# KiCad board Sound Board.kicad_pcb (continued)
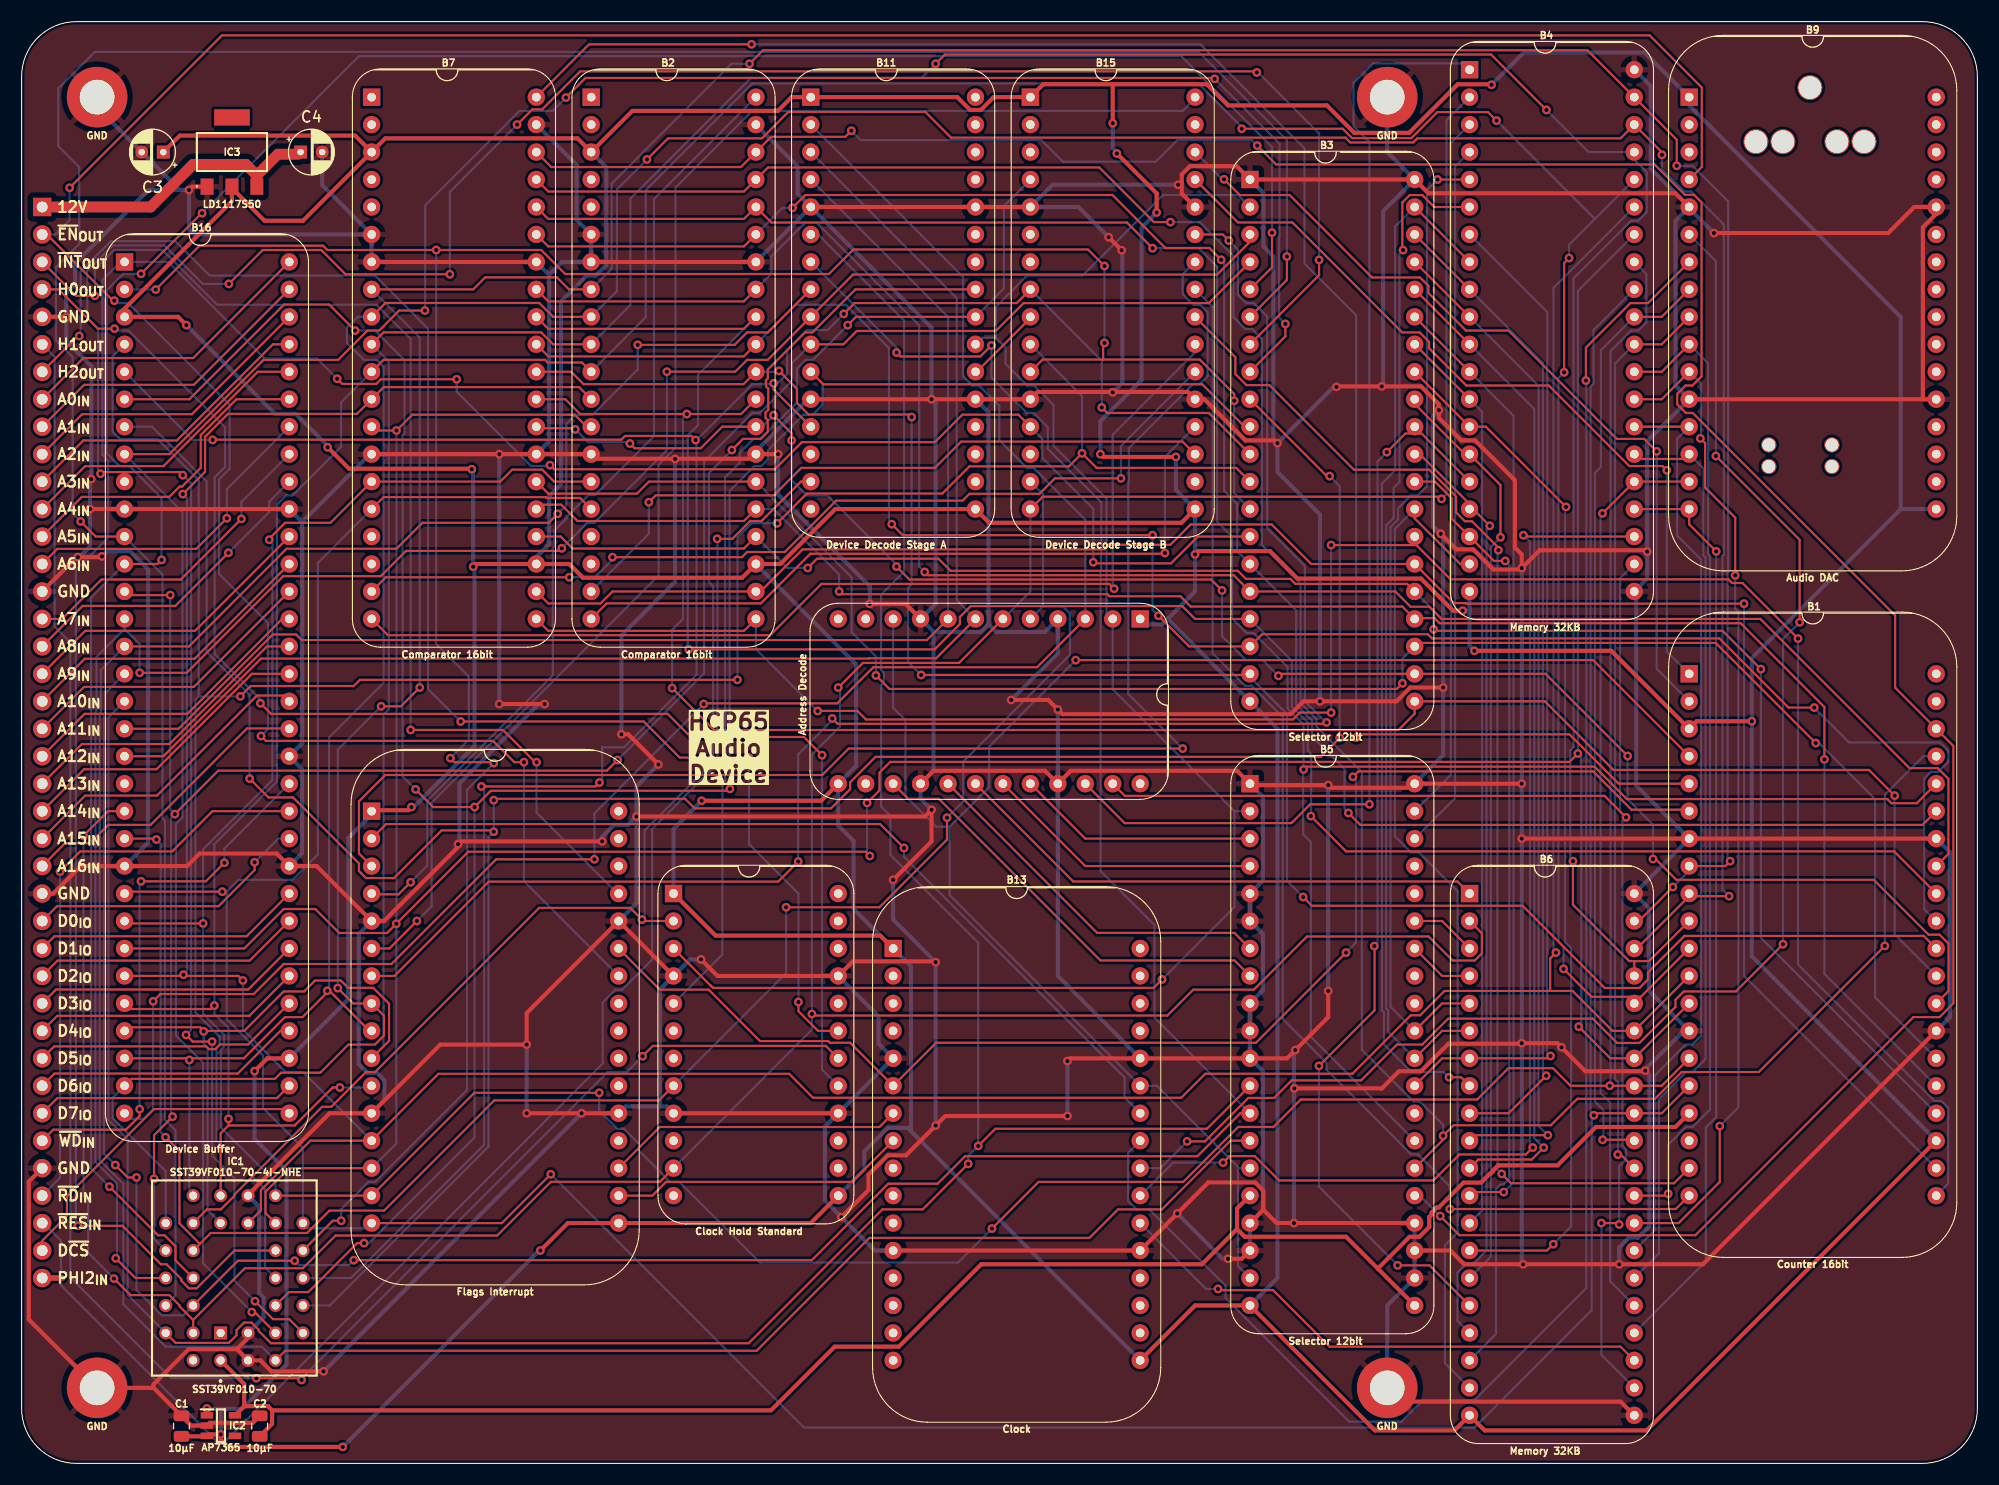
[diagram p0: board, top side]
## Routing (per net, layer and track width the routed paths; a pad name or vN(x,y) marks a point on that pad's centre or on a via; arc(x,y) is an arc through that point) (continued)
/D5_{IN/OUT}: length 25.2
  Top w0.2: J1.32 3.01,38.57 17.08,38.57 17.33,38.31 17.92,38.31 18.35,38.75 20.97,38.75 B16.37
/D6: length 326.6
  Top w0.2: v1(157.99,52.46) 154.31,52.46 149.47,47.63 ; B2.9 49.18,106.05 47.9,107.33 33.67,107.33 B7.9 ; 15.52,37.47 20.56,37.47 24.37,41.28 25.98,41.28 28.29,43.58 v1(28.29,43.71) 28.48,43.71 32.19,40.01 ; 15.52,37.47 B16.30 ; 15.52,37.47 v1(15.52,37.31) ; v1(151.79,121.03) 151.79,121.26 B4.38 147.95,122.55 129.15,122.55 128.77,122.17 122.95,122.17 122.5,122.62 86,122.62 83.62,125 70.95,125 68.5,122.56 59.81,122.56 v1(57.86,120.6)
  Bottom w0.2: v1(57.86,120.6) 55.08,117.82 55.08,108.42 B2.9 ; v1(28.29,43.71) 28.45,43.87 28.45,67.14 33.5,72.2 33.5,101.42 32.85,102.07 31.67,102.07 30.1,103.64 30.1,105.05 31.11,106.06 32.37,106.06 ; v1(157.99,52.46) 157.38,53.08 157.38,83.93 157.51,84.06 157.51,114.59 154.46,117.64 153.85,117.64 151.79,119.7 v1(151.79,121.03) ; v1(15.52,37.31) 15.52,25.12
/D6_{IN/OUT}: length 25
  Top w0.2: J1.33 3.03,36.05 20,36.05 23.95,40.01 B16.36
/D7: length 338.1
  Top w0.2: v1(33.27,70.02) 35.1,70.02 v1(36.84,71.76) ; v1(153.15,120.02) 153.15,122.44 B4.39 144.89,130.7 68.6,130.7 v1(67.35,129.45) ; v1(152.79,53.31) 149.65,50.17 ; v1(29.25,43.96) 30.67,42.55 B8.8 33.53,41.4 33.53,39.57 32.69,38.74 30.24,38.74 27.64,36.13 24.01,36.13 23.43,35.56 10.16,35.56 B16.31 ; B1.8 157.64,55.25 v1(158.09,55.7) ; B7.8 41.78,108.59 42.89,109.7 49.53,109.7 50.64,108.59 B2.8
  Bottom w0.2: v1(29.25,43.96) 29.25,66.01 v1(33.27,70.02) ; B16.31 8.43,33.83 8.43,31.93 13.33,27.02 IC1.21 ; v1(153.15,120.02) 154.62,120.02 157.92,116.71 157.92,82.48 157.86,82.42 157.86,55.93 v1(158.09,55.7) ; v1(67.35,129.45) 65.69,129.45 54.6,118.37 54.6,110.48 B2.8 ; 154.31,54.82 v1(152.79,53.31) ; v1(36.84,71.76) 36.84,104.13 B7.8
/D7_{IN/OUT}: length 23.9
  Top w0.2: B16.34 23.62,33.78 3.3,33.78 J1.34
/Device ~{CS}: length 173.6
  Top w0.2: v1(63.12,70.23) 63.18,70.29 75.47,70.29 78.81,73.63 93.95,73.63 B12.3 ; v1(12.17,42.74) 12.84,43.41 21.47,43.41 24.25,46.19 34.22,46.19 43.91,55.87 v1(53,55.87)
  Bottom w0.2: B12.3 98.42,87.28 93.63,92.08 93.03,92.08 90.47,94.63 90.47,97.82 88.6,99.7 87.97,99.7 87.11,100.56 87.11,109.74 B11.2 ; v1(63.12,70.23) 53,60.11 v1(53,55.87) ; B16.32 10.03,31.88 11.3,31.88 12.17,32.74 v1(12.17,42.74)
/Device ~{CS} _{IN}: length 29.5
  Top w0.2: J1.39 1.9,20.6 4.19,22.88 4.19,24.71 12.26,32.77 24.38,32.77
/Enable: length 127.1
  Top w0.2: 154.17,60.46 148.96,60.46 145.42,64 123.69,64 v1(123.19,63.5) ; v1(122.56,47.24) 114.21,38.9 84.62,38.9 B13.6 76.67,38.9 74.8,38.9 74.64,39.06 68.32,39.06 63.57,43.82 59.05,43.82 B8.27
  Bottom w0.2: v1(123.19,63.5) 123.48,63.21 123.48,48.16 v1(122.56,47.24)
/H0_{OUT}: length 134.4
  Top w0.2: v1(22.1,70.31) 23.08,69.32 59.78,69.32 61.92,67.18 72.39,67.18 v1(74.07,65.5) ; 2.52,108.59 3.43,108.59 7.06,104.95 v1(8.6,104.95)
  Bottom w0.2: B10.17 74.07,36.42 v1(74.07,65.5) ; v1(8.6,104.95) 8.77,104.78 9.88,104.78 18.82,95.84 18.82,92.15 17.86,91.2 17.86,74.88 22.1,70.65 v1(22.1,70.31)
/H1_{OUT}: length 175.7
  Top w0.2: v1(21.72,7.87) 25.75,7.87 v1(25.91,7.72) ; B10.18 74.41,38.62 58.42,38.62 v1(57.46,37.66)
  Bottom w0.2: v1(57.46,37.66) 56,36.2 54.23,36.2 25.91,7.87 v1(25.91,7.72) ; J1.6 3.05,102.36 3.05,77.39 4.51,75.94 4.51,17.21 13.84,7.87 v1(21.72,7.87)
/H2_{OUT}: length 142.9
  Top w0.2: J1.7 5.21,104.27 v1(5.33,104.27) ; v1(67.31,65.28) 60.9,65.28 57.56,68.62 v1(40.63,68.62) ; B10.19 73.69,40.01 71.88,41.82 v1(71.88,42.67)
  Bottom w0.2: v1(40.63,68.62) 40.6,68.62 37.61,71.61 37.61,104.94 32.7,109.86 17.4,109.86 14.21,113.05 8.26,113.05 5.46,110.25 5.46,104.39 v1(5.33,104.27) ; v1(67.31,65.28) 67.31,57.28 71.88,52.71 v1(71.88,42.67)
/M0: length 94
  Top w0.2: B3.28 128.91,87.4 133.12,83.19 B4.19
  Bottom w0.2: B6.19 131.7,9.27 131.7,20.18 132.88,21.36 132.88,52.92 129.28,56.52 128.56,56.52 127.07,58.01 127.07,86.43 B3.28
/M1: length 88.3
  Top w0.2: B3.29 130.78,90.81 132.33,89.25 132.33,87.38 B4.18 136.24,83.47 v1(137.29,83.47)
  Bottom w0.2: v1(137.29,83.47) 137.66,83.1 137.66,26.34 137.11,25.79 136.86,25.79 136.43,25.36 136.43,11.97 B6.18
/M2: length 85.4
  Top w0.2: 129.38,93.35 133.98,88.74 ; 134.3,88.27 v1(135.85,86.72)
  Bottom w0.2: B6.17 132.86,13.19 132.86,17.65 133.63,18.42 134.28,18.42 135.55,19.69 135.55,86.42 v1(135.85,86.72)
/M3: length 99.3
  Top w0.2: v1(120.04,36.76) 125.2,41.91 125.2,47.82 v1(125.17,47.85) ; v1(126.33,93.53) 128.05,95.25 129.54,95.25 B4.16 ; v1(127.33,18.32) 130.27,18.32 B6.16
  Bottom w0.2: v1(126.33,93.53) 125.47,92.68 125.47,48.15 v1(125.17,47.85) ; v1(120.04,36.76) 120.04,25.6 v1(127.33,18.32)
/M4: length 85.1
  Top w0.2: B4.15 136.85,90.48 v1(136.85,85.65) ; 128.91,97.99 133.55,93.35
  Bottom w0.2: v1(136.85,85.65) 135.95,84.76 135.95,19.11 B6.15
/M5: length 96.3
  Top w0.2: B3.33 B4.14 135.49,95.89 v1(142.91,88.47) ; v1(141.73,20.27) 141.14,19.69 B6.14
  Bottom w0.2: v1(142.91,88.47) 142.82,88.39 142.82,48.21 143.38,47.65 143.38,21.92 v1(141.73,20.27)
/M6: length 84.3
  Top w0.2: B3.34 B4.13
  Bottom w0.2: B4.13 135.14,97.27 135.14,23.38 B6.13
/M7: length 88
  Top w0.2: B3.35 B4.12 ; v1(137.15,25.09) 134.31,25.09
  Bottom w0.2: v1(137.15,25.09) 138.06,26 138.06,96.89 B4.12
/M8: length 92
  Top w0.2: B3.36 B4.11 ; B6.11 134.78,28.1 139.74,28.1 v1(140.84,29.21)
  Bottom w0.2: v1(140.84,29.21) 139.97,30.08 139.97,97.52 B4.11
/M9: length 93.3
  Top w0.2: B3.37 B4.10 ; B6.10 134.49,30.35 v1(141.22,30.35)
  Bottom w0.2: v1(141.22,30.35) 140.37,31.2 140.37,99.66 B4.10
/M10: length 91.4
  Top w0.2: v1(141.07,35.85) 137.6,32.39 B6.9 ; B3.38 B4.9
  Bottom w0.2: v1(141.07,35.85) 140.77,36.15 140.77,101.8 B4.9
/M11: length 95.5
  Top w0.2: B6.8 133.2,35.71 v1(132.09,35.71) ; B3.39 B4.8
  Bottom w0.2: B3.39 127.1,114.4 127.1,91.85 125.87,90.62 125.87,41.91 126.05,41.72 126.05,38.75 128.61,36.2 131.6,36.2 v1(132.09,35.71)
/M12: length 92.8
  Top w0.2: v1(141.47,37.68) 141.26,37.47 B6.7 131.44,37.47 B5.29
  Bottom w0.2: v1(141.47,37.68) 141.17,37.98 141.17,106.48 B4.7
/M13: length 94
  Top w0.2: v1(127.83,112.22) 127.76,112.28 127.76,116.63 128.44,117.31 129.61,117.31 130.71,116.21 B4.6 ; B5.30 131.44,40.01 B6.6
  Bottom w0.2: v1(127.83,112.22) 127.5,111.89 127.5,90.77 126.96,90.23 126.96,87.45 126.27,86.76 126.27,42.07 126.45,41.89 126.45,39.92 B5.30
/M14: length 90.9
  Top w0.2: B4.5 v1(131.02,118.75) ; B5.31 131.44,42.55 B6.5
  Bottom w0.2: B5.31 126.67,42.24 126.67,86.6 127.36,87.29 127.36,88.32 128.57,89.54 129.2,89.54 130.05,90.38 130.05,117.78 v1(131.02,118.75)
/MAX0: length 85.5
  Top w0.2: v1(156.81,84.35) 154.31,86.85 B9.16 B4.24
  Bottom w0.2: v1(156.81,84.35) 156.81,32.02 155.84,31.05 155.84,18.68 B6.24
/MAX1: length 83.9
  Top w0.2: B9.15 B4.25 146.29,87.87 v1(146.28,87.87)
  Bottom w0.2: v1(146.28,87.87) 146.11,87.7 146.11,34.23 147,33.34 147,16.83 B6.25
/MAX2: length 84.1
  Top w0.2: 149.67,92.9 153.86,92.9
  Bottom w0.2: B6.26 151.51,19.43 151.51,33.71 154,36.2 154.61,36.2 155.82,37.41 155.82,83.77 155.62,83.98 155.62,92.03 B9.14
/MAX3: length 85.6
  Top w0.2: B9.13 B4.27
  Bottom w0.2: B9.13 153.19,94.77 153.19,85.81 155.41,83.59 155.41,39.55 154.59,38.74 153.98,38.74 151.11,35.87 151.11,21.57 B6.27
/MAX4: length 93.2
  Top w0.2: B9.11 151.76,98.43 B4.28 ; v1(155.34,94.8) 155.78,94.36 155.78,90.26 158.56,87.48 v1(158.56,82.13) ; v1(157.14,31.2) 157.14,26.04 153.32,22.23 B6.28
  Bottom w0.2: v1(155.34,94.8) 155.41,94.87 155.41,99.86 B9.11 ; v1(157.14,31.2) 158.86,32.92 158.86,78.75 158.56,79.05 v1(158.56,82.13)
/MAX5: length 90.7
  Top w0.2: B9.10 151.76,100.97 B4.29 ; B6.29 152.2,24.77 v1(152.36,24.93)
  Bottom w0.2: v1(152.36,24.93) 152.36,29.46 154.01,31.12 154.62,31.12 156.23,32.73 156.23,83.93 156.06,84.11 156.06,101.75 B9.10
/MAX6: length 84
  Top w0.2: v1(147.7,28.56) 147.97,28.56 B6.30 ; B4.30 151.76,103.51 B9.9
  Bottom w0.2: v1(147.7,28.56) 147.72,28.59 147.72,35.26 147.45,35.54 147.45,101.73 B4.30
/MAX7: length 87
  Top w0.2: B9.8 151.76,106.05 B4.31 ; v1(146.29,29.93) 149.14,29.93
  Bottom w0.2: v1(146.29,29.93) 146.37,30.01 146.37,32.67 145.58,33.46 145.58,91.61 146.14,92.16 146.14,102.96 B4.31
/MAX_{A0}: length 140.8
  Top w0.2: v1(156.78,93.17) 164.53,85.42 v1(164.53,77.79) ; v1(107.85,29.78) 109.5,29.78 113.51,33.8 115.89,33.8 117.52,35.43 123.95,35.43 127.26,38.74 129.6,38.74 132,41.13 145.39,41.13 147.64,38.88 149.7,38.88 153.03,42.22 153.03,42.87 153.81,43.65 158.62,43.65 v1(162.99,48.02)
  Bottom w0.2: v1(162.99,48.02) 162.99,76.25 v1(164.53,77.79) ; B13.24 105.37,27.31 v1(107.85,29.78) ; v1(156.78,93.17) 156.78,111.19 B9.6
/MAX_{~{WR}}: length 162.5
  Top w0.2: v1(144.75,100.15) 144.75,103.2 148.87,107.32 150.5,107.32 B9.7
  Bottom w0.2: B13.25 102.39,28.73 102.39,24.27 103.17,23.5 104.34,23.5 111.41,16.43 111.41,15.3 122.85,3.85 127.68,3.85 129.68,5.86 134.43,5.86 144.78,16.21 144.78,100.12 v1(144.75,100.15)
/PHI2_{IN}: length 0.9
  Top w0.2: J1.40 NT1.1
/Read Counter Address High: length 74.8
  Top w0.2: B15.29 112.55,114.78 117.58,114.78 127.75,104.61 129.36,104.61 130.24,103.73 130.24,103.14 133.68,99.7 141.32,99.7 148.77,92.24 151.84,92.24 v1(152.23,91.85)
  Bottom w0.2: v1(152.23,91.85) 152.23,75.1 B1.1
/Read Counter Address Low: length 78.9
  Top w0.2: v1(111.26,118.77) 112.72,117.31 117.33,117.31 124.95,109.69 129.4,109.69 130.17,108.91 130.17,108.26 133.66,104.78 137.59,104.78 147.61,94.76 150.15,94.76 v1(151.3,93.6)
  Bottom w0.2: B15.30 111.1,118.77 v1(111.26,118.77) ; B1.2 151.3,73.49 v1(151.3,93.6)
/Read Flags: length 134.5
  Top w0.2: B8.6 34.04,47.63 v1(36.58,50.17)
  Bottom w0.2: 108.59,126.24 107.44,125.1 67.59,125.1 60.5,118 60.5,93.93 58.95,92.38 58.95,82.12 37.94,61.11 37.94,51.53 v1(36.58,50.17)
/Sound Address: length 129.4
  Top w0.2: B12.23 102.09,61.74 146.48,61.74 v1(148.46,59.75) ; v1(147.83,22.1) 147.7,22.23 v1(146.18,22.23)
  Bottom w0.2: B4.22 147.91,81.87 147.91,60.31 v1(148.46,59.75) 148.12,59.42 148.12,29.39 148.46,29.05 148.46,28.12 147.83,27.49 v1(147.83,22.1) ; B6.22 146.18,10.03 v1(146.18,22.23)
/Write Clear Interrupt: length 137
  Top w0.2: B8.3 31.22,56.41 31.22,61.24 33.65,63.67 74.08,63.67 76.53,66.12 v1(107.44,66.12)
  Bottom w0.2: v1(107.44,66.12) 102.4,71.15 102.4,90.77 102.45,90.82 102.45,93.88 108.4,99.84 109.02,99.84 109.75,100.56 109.75,106.47 109.07,107.15 108.44,107.15 107.44,108.15 107.44,109.98 B15.26
/Write End Address High: length 86.5
  Top w0.2: v1(54.67,83.82) 66.66,83.82 67.14,84.3 70.63,84.3 75.37,89.04 87.07,89.04 87.71,89.68 94.18,89.68 95.61,91.11 v1(101.72,91.11) ; B7.19 33.7,81.96 v1(50.67,81.96)
  Bottom w0.2: B15.22 101.72,94.1 v1(101.72,91.11) ; v1(50.67,81.96) 53.05,81.96 54.67,83.58 v1(54.67,83.82)
/Write End Address Low: length 97.3
  Top w0.2: B7.20 33.89,76.6 69.27,76.6 74.01,81.35 100.65,81.35 v1(101.09,80.9)
  Bottom w0.2: v1(101.09,80.9) 100.96,81.03 100.96,95.15 108.59,102.77 B15.23
/Write Flags: length 156.5
  Top w0.2: B15.27 111.14,113.67 v1(111.7,113.1) ; B8.7 34.5,45.09 43.22,53.81 70,53.81 v1(71.86,55.66) ; v1(75.01,68.9) 75.5,68.41 120.63,68.41 v1(120.76,68.53)
  Bottom w0.2: v1(120.76,68.53) 120.7,68.53 118.75,70.49 118.75,83 115.26,86.49 115.26,106.08 114.03,107.32 113.32,107.32 112.55,108.09 112.55,112.26 v1(111.7,113.1) ; v1(71.86,55.66) 71.86,65.59 75.01,68.73 v1(75.01,68.9)
/Write Interrupt Address High: length 63.8
  Top w0.2: B15.19 107.42,94.51 86.94,94.51 84.51,92.08 72.15,92.08 69.61,89.54 58.67,89.54 v1(58.04,88.9)
  Bottom w0.2: v1(58.04,88.9) 58.04,85.98 B2.19
/Write Interrupt Address Low: length 68.5
  Top w0.2: B2.20 54.14,79.54 68.4,79.54 72.99,84.13 105.72,84.13 v1(105.79,84.2)
  Bottom w0.2: B15.20 105.79,93.09 v1(105.79,84.2)
/Write Start Address High: length 115.1
  Top w0.2: B1.19 152.91,25.91 137.82,25.91 v1(136.96,26.78) ; v1(136.65,84.46) 136.65,84.7 134.21,87.14 133.55,87.14 132.73,87.96 132.73,89.42 130.25,91.91 123.28,91.91 115.46,99.73 113.34,99.73 112.31,100.75 112.31,102.32 B15.24
  Bottom w0.2: v1(136.96,26.78) 136.56,27.17 136.56,84.37 v1(136.65,84.46)
/Write Start Address Low: length 118.2
  Top w0.2: v1(132.15,23.52) 153.06,23.52 B1.20
  Bottom w0.2: B15.25 110.21,106.96 110.21,74.92 113.21,71.92 113.8,71.92 116.69,69.03 116.69,41.1 120.75,37.05 120.75,36.41 128.58,28.58 129.22,28.58 132.15,25.64 v1(132.15,23.52)
/~{A4}: length 7
  Top w0.2: 88.38,100.97 93.34,105.93
/~{CLK}: length 84.3
  Top w0.2: B8.2 33.73,59.13 79.44,59.13 v1(81.65,56.92)
  Bottom w0.2: B13.26 102.07,33.82 102.07,35.68 81.65,56.09 v1(81.65,56.92)
/~{CPU Address}: length 152.9
  Top w0.2: v1(105.53,44.76) 104.75,43.98 64.01,43.98 63.94,44.05 63.9,44.05 63.74,44.22 63.73,44.22 B10.3
  Bottom w0.2: 112.23,60.33 B5.2 ; 112.23,60.33 100.96,71.59 B12.2 ; 112.23,60.33 112.23,51.46 v1(105.53,44.76) ; 90.15,104.11 88.87,104.11 B11.23 ; 90.15,104.11 90.15,106.97 93.03,109.86 98.17,109.86 105.63,117.32 112.55,117.32 B3.2 ; 90.15,104.11 91.05,103.21 91.05,101.7 93.05,99.7 93.68,99.7 95.48,97.89 95.48,94.13 100.39,89.22 100.39,78.68 100.6,78.47
/~{Device Registers}: length 97.1
  Top w0.2: B11.24 77.21,106.05 v1(76.44,105.28)
  Bottom w0.2: v1(76.44,105.28) 73.23,102.07 72.56,102.07 71.74,101.24 71.74,98.11 68.39,94.76 67.74,94.76 66.44,93.46 66.44,92.55 65.1,91.21 65.1,62.93 64.84,62.67 64.84,47.06 B10.5 ; B11.24 90.89,108.67 90.89,116.29 B15.4
/~{Device ROM}: length 136.7
  Top w0.2: B11.25 77.16,108.59 73.18,104.61 72.49,104.61 69.05,101.17 69.05,100.35 68.87,100.17 68.87,99.62 69.09,99.41 69.09,97.44 68.84,97.19 68.84,96.69 69.05,96.48 69.05,95.43 68.38,94.76 66.75,94.76 v1(65.72,93.73) ; B10.2 57.53,50.17 v1(57.4,50.29) 56.32,51.38 47.89,51.38 32.71,36.2 31.87,36.2 28.66,32.98 27.81,32.98 19.69,24.85 19.69,24.74 18.44,23.5 17.14,23.5 IC1.22
  Bottom w0.2: v1(57.4,50.29) 57.64,50.53 57.64,58.53 63.99,64.87 63.99,81.11 63.6,81.49 63.6,91.61 v1(65.72,93.73)
/~{Enable} _{OUT}: length 279.3
  Top w0.2: v1(22.15,67.28) 22.6,66.82 43.62,66.82 45.59,64.85 v1(46.48,64.85) ; v1(8.57,107.54) 8.46,107.54 2.34,113.67 ; B9.4 155.47,119.91 155.47,127.25 150.65,132.08 18.54,132.08 v1(4.44,117.98)
  Bottom w0.2: v1(46.48,64.85) 46.48,53.85 B8.26 ; J1.2 3.11,113.67 4.44,115 v1(4.44,117.98) ; v1(8.57,107.54) 8.8,107.32 9.86,107.32 19.25,97.93 19.25,92 18.27,91.02 18.27,82.26 22.8,77.74 22.8,67.92 v1(22.15,67.28)
/~{End} _{CMP}: length 166.4
  Top w0.2: v1(123.5,67.13) 123.8,67.43 143.22,67.43 147.79,62.87 B1.5 ; v1(67.54,131.25) 52.51,131.25 B7.40
  Bottom w0.2: v1(123.5,67.13) 123.5,106.18 118.71,110.97 118.71,121.63 109.08,131.25 v1(67.54,131.25)
/~{Interrupt} _{CMP}: length 90.2
  Top w0.2: 32.46,52.63 34.88,52.63 v1(35.99,53.75)
  Bottom w0.2: B2.40 58.52,116.94 58.52,95.01 53.07,89.56 52.45,89.56 50.48,87.6 50.48,87.47 49.3,86.29 49.3,84.81 49.15,84.65 49.15,72.89 37.54,61.28 37.54,55.29 v1(35.99,53.75)
/~{Interrupt} _{OUT}: length 106.3
  Top w0.2: v1(6.77,107.99) 5.04,107.99 J1.3 ; v1(47.65,64.85) 47.52,64.85 44.54,67.83 v1(36,67.83)
  Bottom w0.2: 55.13,52.71 47.65,60.18 v1(47.65,64.85) ; v1(6.77,107.99) 6.77,110.43 8.57,112.23 13.03,112.23 18.09,107.17 32.83,107.17 36,104 v1(36,67.83)
/~{RD}: length 173.2
  Top w0.2: v1(13.32,30.17) 14.61,28.89 14.61,22.19 16.49,20.3 ; 16.49,20.3 IC1.24 ; 16.49,20.3 17.5,21.31 26.41,21.31 28.48,23.38 33.54,23.38 43.74,33.57 58.97,33.57 B10.8 ; v1(12.47,57.7) 12.39,57.79 B16.22 ; v1(70.74,51.44) 79.38,51.44 85.63,57.69 v1(85.63,59.72)
  Bottom w0.2: v1(12.47,57.7) 12.87,57.31 12.87,32.53 12.87,32.53 12.87,30.63 v1(13.32,30.17) ; B15.15 94.51,89.64 94.51,79.27 ; B10.8 70.74,45.34 v1(70.74,51.44) ; 94.51,79.27 B12.5 ; 94.51,79.27 96.33,79.27 97.01,78.6 97.01,74.78 87.14,64.91 87.14,61.23 v1(85.63,59.72)
/~{RD}_{IN}: length 54.2
  Top w0.2: v1(3.56,54.74) 5.42,56.6 13.93,56.6 17.66,60.33 B16.44
  Bottom w0.2: v1(3.56,54.74) 3.56,26.42 J1.37
/~{Reset} _{IN}: length 141.2
  Top w0.2: v1(64.36,85.52) 65.77,85.52 67.42,87.16 68.47,87.16 72.11,90.81 B11.15
  Bottom w0.2: 2.03,22.23 3.65,20.61 3.65,16.47 18.13,1.98 18.77,1.98 53.77,36.98 53.77,42.64 54.95,43.82 55.57,43.82 58.34,46.59 58.34,58.66 64.39,64.71 64.39,85.49 v1(64.36,85.52)
/~{WD}: length 333.9
  Top w0.2: 15.87,13.26 20.66,18.05 26.02,18.05 29.05,21.07 44.01,21.07 48.98,26.04 59.06,26.04 B10.11 ; 15.87,13.26 14.61,14.53 14.61,14.62 13.67,15.56 10.07,15.56 v1(8.55,17.09) ; 15.87,13.26 IC1.31 ; B6.2 135.12,49.03 135.12,47.17 134.46,46.51 132.42,46.51 130.19,48.73 118.94,48.73 114.02,43.82 108.41,43.82 106.02,41.42 73.27,41.42 v1(73.13,41.57) ; v1(75.56,71.75) 77.85,74.04 86.74,74.04 B12.6 ; v1(5.72,58.06) 7.99,60.33 B16.21 ; v1(131.39,89.21) 131.19,89.41 94.49,89.41 B15.16
  Bottom w0.2: v1(5.72,58.06) 5.72,24.73 6.16,24.29 6.16,19.47 v1(8.55,17.09) ; B12.6 93.34,80.65 B15.16 ; v1(131.39,89.21) 131.84,89.67 131.84,124.23 B4.2 ; B10.11 73.13,40.11 v1(73.13,41.57) 73.13,65.55 75.71,68.14 75.71,71.61 v1(75.56,71.75)
/~{WD}_{IN}: length 49.9
  Top w0.2: v1(11.05,53.84) 17.05,53.84 v1(18.76,55.55) ; J1.35 2.92,30.86 9.65,30.86 10.92,32.13 v1(10.92,32.77)
  Bottom w0.2: v1(10.92,32.77) 10.92,53.71 v1(11.05,53.84) ; B16.45 18.76,56.86 v1(18.76,55.55)
/~{WR}_{A}: length 107.3
  Top w0.2: v1(111.17,27.82) 111.78,28.42 114.11,28.42 116.36,26.17 130.64,26.17 133.05,28.58 139.19,28.58 v1(139.83,29.21) ; v1(138.97,85.85) 139.09,85.73 B4.23
  Bottom w0.2: v1(138.97,85.85) 139.57,85.24 139.57,29.46 v1(139.83,29.21) ; B13.23 106.56,27.82 v1(111.17,27.82)
/~{WR}_{B}: length 51
  Top w0.2: B6.23 147.95,10.8 121.03,10.8 115.81,16.02 110.82,16.02 v1(110.7,16.14)
  Bottom w0.2: B13.22 109.59,16.14 v1(110.7,16.14)

## Copper pours and planes (outline as drawn; the poured copper is in the pictures)
/GND on Top, Bottom: 0.25,133.6 255.65,133.6 255.65,-0.38 0.25,-0.38

## Text on the board
F.Silkscreen: 12V | ~{EN}_{OUT} | ~{INT}_{OUT} | H0_{OUT} | GND | H1_{OUT} | H2_{OUT} | A0_{IN} | A1_{IN} | A2_{IN} | A3_{IN} | A4_{IN} | A5_{IN} | A6_{IN} | A7_{IN} | A8_{IN} | A9_{IN} | A10_{IN} | A11_{IN} | A12_{IN} | A13_{IN} | A14_{IN} | A15_{IN} | A16_{IN} | D0_{IO} | D1_{IO} | D2_{IO} | D3_{IO} | D4_{IO} | D5_{IO} | D6_{IO} | D7_{IO} | ~{RD}_{IN} | ~{RES}_{IN} | D~{CS} | PHI2_{IN} | ~{WD}_{IN} | HCP65 / Audio / Device
